# Altium PCB Carte_Alim-4L - CopieBK2023-02-12.PcbDoc (part 1 of 3) (continued)
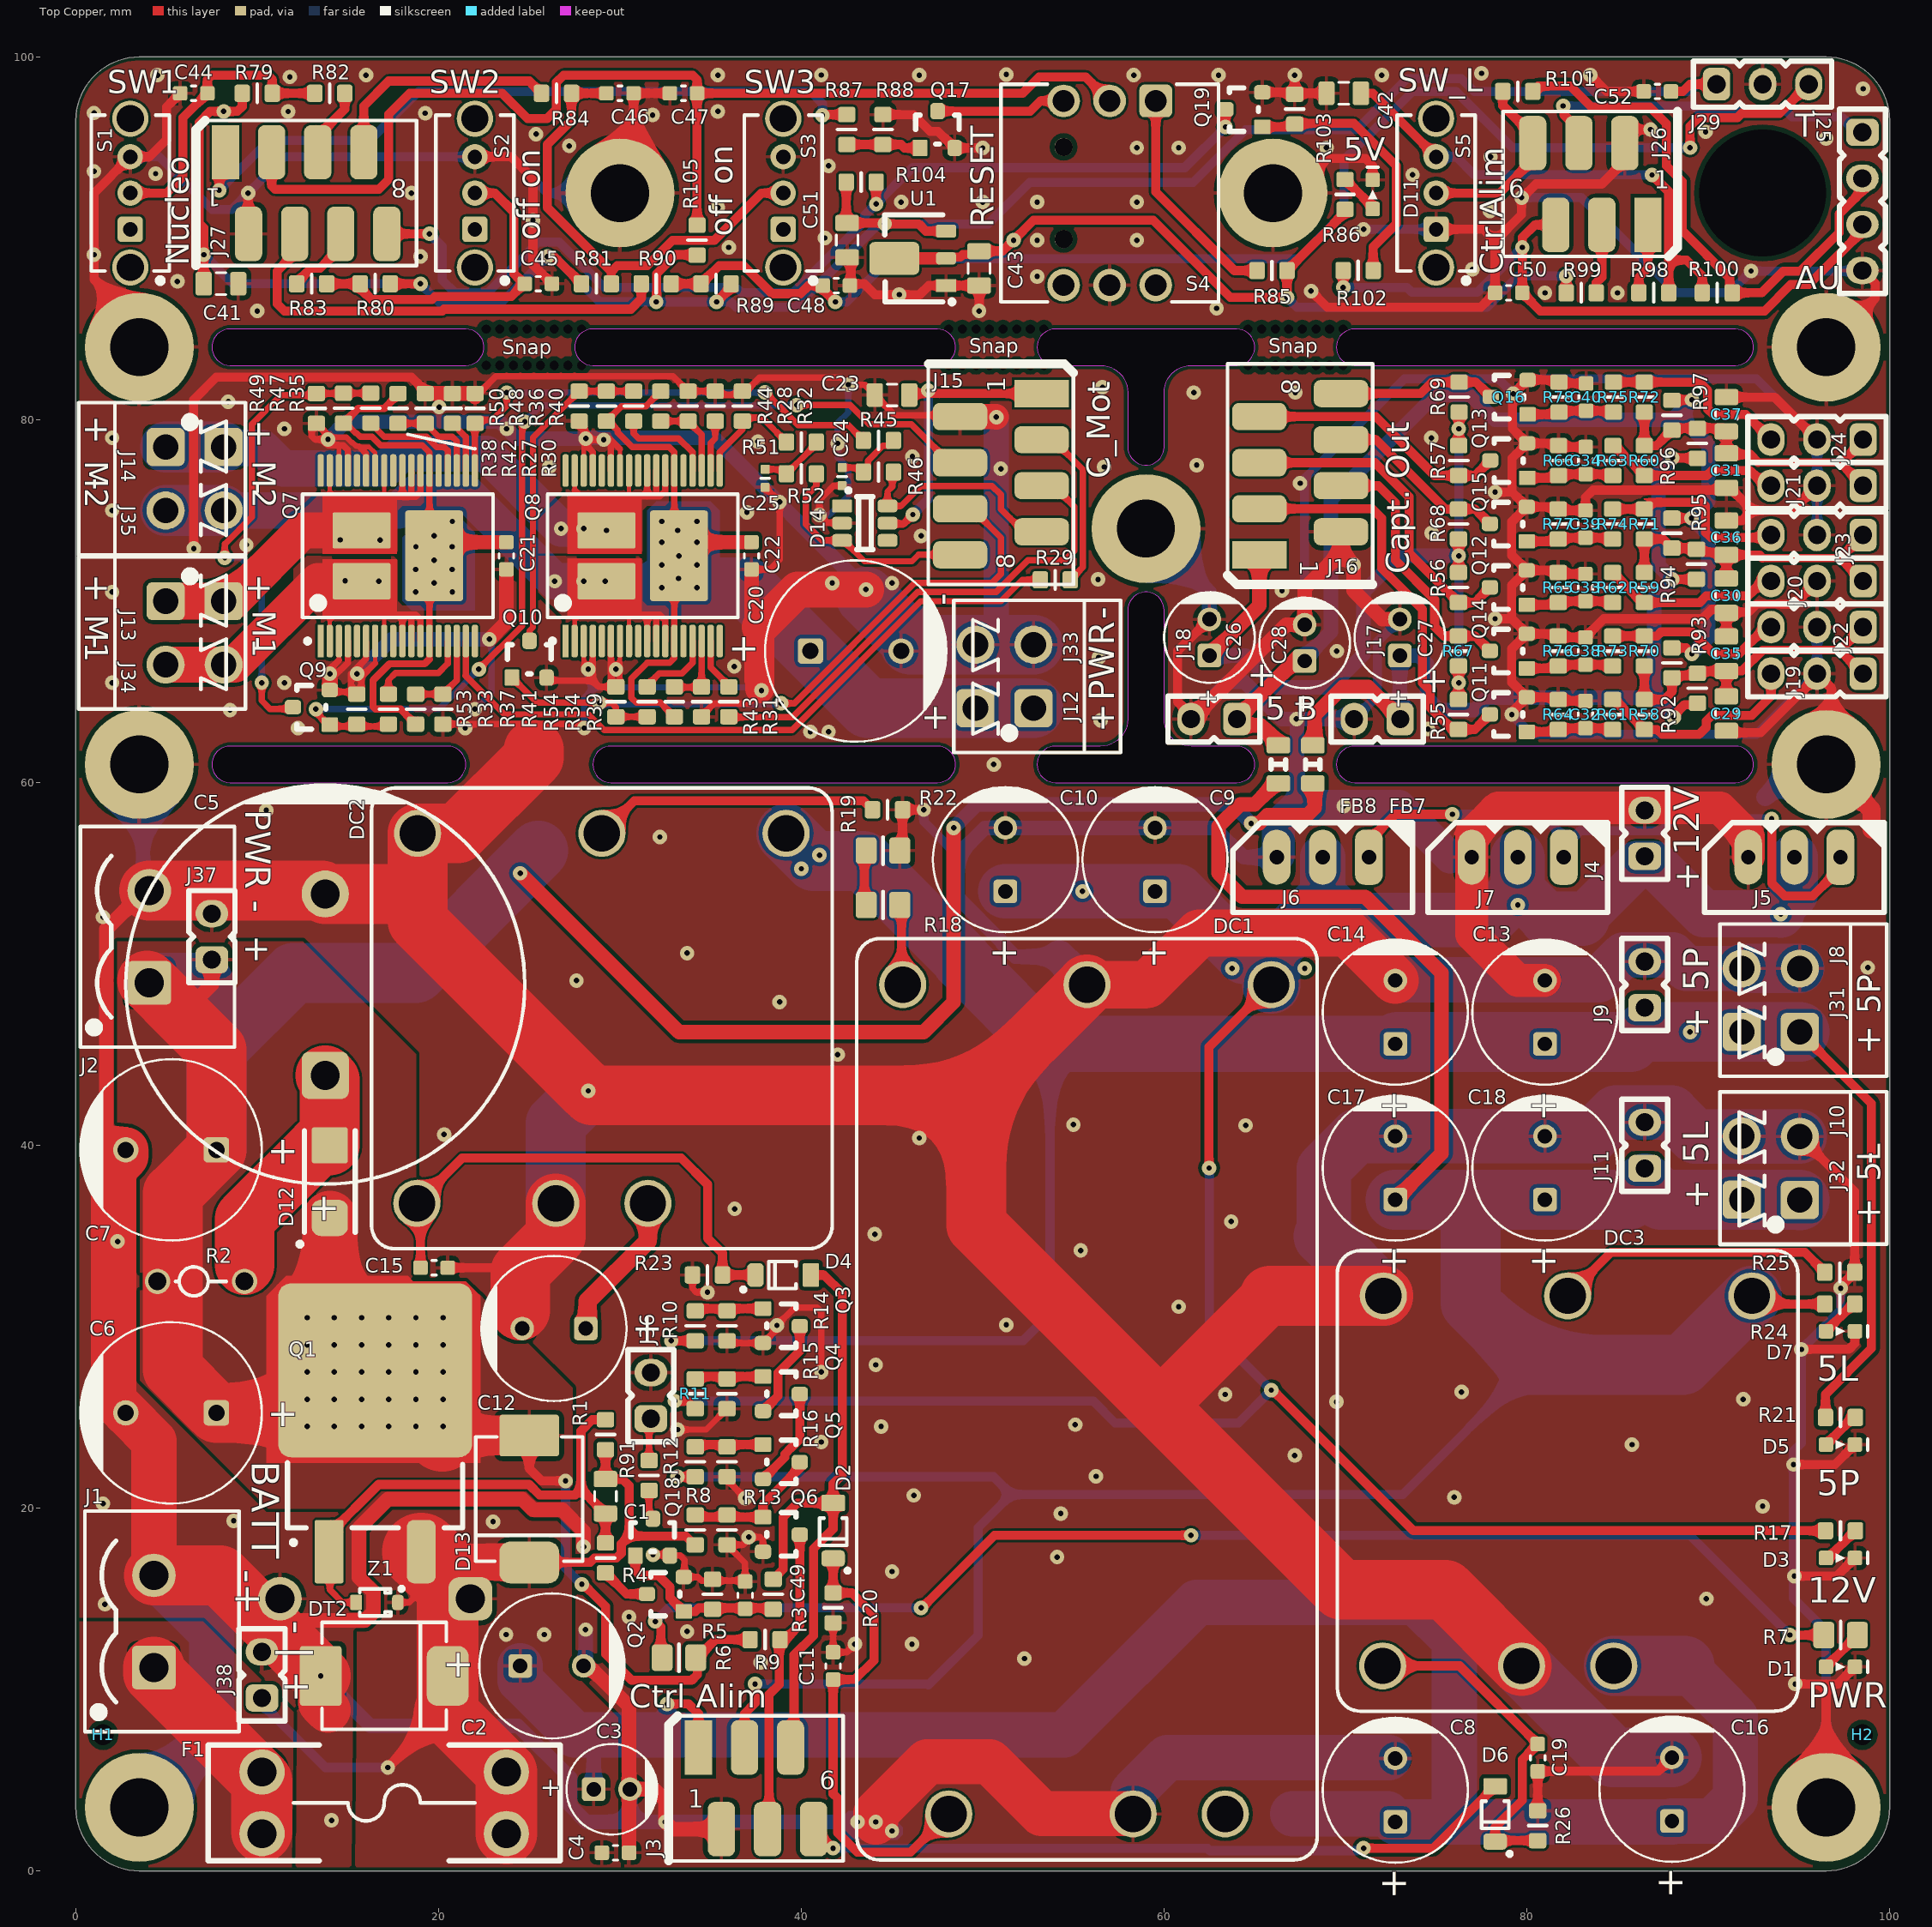
[diagram p0: Top Copper view]
## Components (designator, comment, footprint, x,y, rotation, side; value= is the part's Value field where it differs from the comment) (continued)
Z1 "MM3Z15VST1G" SOD-323 16.6,14.8 r0 top value=14.6V

## Footprints (in the part's own frame and the unit in brackets; to place one, negate y for a bottom-side part, rotate by r counter-clockwise, add the part's x,y. Pads: shape width x height; smd on the part's side, far side on the other; paste and mask are expansions set on the pad)
20-03-5035 [mil]
  rrect70% 60x120 hole 31.5: 1(100,25)
  oval 60x120 hole 31.5: 2(0,25) 3(-100,25)
  silkscreen extent -195,-95 195,100, body extent -195,-96 194,97, height 234
22-03-2021 [mm]
  rrect50% 1.5x1.8 hole 1: 1(1.27,0)
  oval 1.5x1.8 hole 1: 2(-1.27,0)
  silkscreen extent -2.54,-1.27 2.54,1.27, body extent -2.54,-1.27 2.54,1.27, height 11.6
22-03-2031 [mm]
  rrect50% 1.5x1.8 hole 1: 1(2.54,0)
  oval 1.5x1.8 hole 1: 2(0,0) 3(-2.54,0)
  silkscreen extent -3.81,-1.27 3.81,1.27, body extent -3.81,-1.27 3.81,1.27, height 11.6
22-03-2041 [mm]
  rrect50% 1.5x1.8 hole 1: 1(3.81,0)
  oval 1.5x1.8 hole 1: 2(1.27,0) 3(-1.27,0) 4(-3.81,0)
  silkscreen extent -5.08,-1.27 5.08,1.27, body extent -5.08,-1.27 5.08,1.27, height 11.6
440xx67082622 [mm]
  rrect30% 1.8x1.8 hole 1.2: 1(5.08,-2.54)
  round 1.8 hole 1.2: 2(5.08,2.54) 3(-5.08,2.54) 4(-5.08,-2.54) A(5.08,0) B(-5.08,0)
  round 1 hole 1 unplated: MH1(-2.54,2.54) MH2(2.54,2.54)
  silkscreen extent -6,-6 6,6, body extent -6,-6 6,6, height 8.3
3557-2 [mm] "Fuse holder"
  round 2.5 hole 1.6: 1(-6.735,1.7) 2(6.735,1.7) 3(-6.735,-1.7) 4(6.735,-1.7)
  silkscreen extent -9.7,-3.2 9.7,3.2, body extent -9.91,-3.38 9.91,3.36, height 7.39
690367280676 [mm] "6 pins, SMT, straight, without Latch"
  rect 1.5x3 smd: 1(3.175,-2.25)
  rrect50% 1.5x3 smd: 2(1.905,2.25) 3(0.635,-2.25) 4(-0.635,2.25) 5(-1.905,-2.25) 6(-3.175,2.25)
  silkscreen extent -4.81,-4 4.81,4, body extent -4.81,-5 4.81,3.5, height 5.75
690367280876 [mm] "8 pins, SMT, straight, without Latch"
  rect 1.5x3 smd: 1(4.445,-2.25)
  rrect50% 1.5x3 smd: 2(3.175,2.25) 3(1.905,-2.25) 4(0.635,2.25) 5(-0.635,-2.25) 6(-1.905,2.25) 7(-3.175,-2.25) 8(-4.445,2.25)
  silkscreen extent -6.08,-4 6.08,4, body extent -6.08,-5 6.08,3.5, height 5.75
691311500102 [mm] "5,08mm - PCB Headers - Vertical - Closed ends -02p"
  rrect20% 2.4x2.4 hole 1.6: 1(-2.54,0.45)
  round 2.4 hole 1.6: 2(2.54,0.45)
  silkscreen extent -6.08,-4.25 6.08,4.25, body extent -6.08,-4.25 6.08,4.25, height 12.05
691321100002 [mm] "Vertical PCB Header, pitch 3.5mm, 02p"
  rrect30% 2.1x2.1 hole 1.4: 1(-1.75,-0.8)
  round 2.1 hole 1.4: 2(1.75,-0.8)
  silkscreen extent -4.2,-3.6 4.2,3.6, body extent -4.2,-3.6 4.2,3.6, height 9.3
691322110002 [mm] "Horizontal PCB Header, pitch 3.5mm, 02p"
  rrect30% 2.1x2.1 hole 1.4: 1(-1.75,3.4)
  round 2.1 hole 1.4: 2(1.75,3.4)
  silkscreen extent -4.2,-4.6 4.2,4.6, body extent -4.2,-4.6 4.2,4.6, height 7.3
RESADV480W80L1200D390 [mm] "Wirebound Resistor pitch 4.8mm Radial tape"
  round 1.4 hole 1: 1(-2.4,0) 2(2.4,0)
  silkscreen extent -1.4,-0.8 1.4,0.8, body extent -4.22,-2.4 2.43,2.6, height 20.3
RESC1608X06N [mm] "Chip Resistor, 2-Leads, Body 1,6x0,8mm, IPC Medium Density"
  rrect30% 0.85x0.95 smd: 1(-0.825,0) 2(0.825,0)
  silkscreen extent 0,-0.5 0,0.5, body extent -0.78,-0.42 0.77,0.42, height 0.45
RESC2012X06N [mm] "Chip Resistor, 2-Leads, Body 2,0x1,3mm, IPC Medium Density"
  rrect30% 1.15x1.45 smd: 1(-0.925,0) 2(0.925,0)
  silkscreen extent 0,-0.75 0,0.75, body extent -1,-0.63 1,0.62, height 0.45
"SMA, DO-214AC" [mm] "Case 403D-02"
  rrect15% 2x2 smd: 1(2,0)
  rrect50% 2x2 smd: 2(-2,0)
  silkscreen extent -3.57,-1.4 2.81,1.77, body extent -2.6,-1.3 2.6,1.3, height 2.4
"SMC, DO-214AB" [mm] "WE-TVSP Power TVS Diode, DO-214AB, Unidirectional"
  rrect15% 2.3x3.3 smd: 1(3.5,0)
  rrect50% 2.3x3.3 smd: 2(-3.5,0)
  silkscreen extent -3.43,-2.95 3.43,2.95, body extent -3.97,-2.95 3.97,2.95, height 2.5
SMCW_0603 [mm] "Chip LED, 2-Leads, Body 1.6x0.8mm, IPC Medium Density"
  rrect30% 0.8x0.8 smd: 1(-0.8,0) 2(0.8,0)
  silkscreen extent -1.5,-0.3 0.25,0.3, body extent -0.8,-0.4 0.8,0.4, height 0.7
SOD-123FL [mm] "SOD-123FL"
  rrect15% 0.9x1.3 smd: 1(-1.525,0)
  rrect50% 0.9x1.3 smd: 2(1.525,0)
  silkscreen extent -0.7,-0.75 2.3,0.9, body extent -1.8,-0.82 1.8,0.82, height 0.95
SOD-323 [mm] "SOD-323/SC-76; 2 Leads; Body 1.7 x 1.3 mm, (LxW)"
  rrect15% 0.63x0.83 smd: 1(-1.15,0)
  rrect50% 0.63x0.83 smd: 2(1.15,0)
  silkscreen extent -0.95,-0.75 1.45,0.85, body extent -1.35,-0.63 1.35,0.63, height 1.1
SOT89-150P350X160-3N [mm] "SOT89, 3-Leads, Body 4.5x4.1mm, Pitch 1.5mm, Lead Span 1.05mm, IPC Medium Density"
  rect 1.1x0.7 smd paste-0.05 mask+0.102: 1(-2.127,1.5)
  rrect50% 1.1x0.7 smd paste-0.05 mask+0.102: 2(-2.128,0)
  rrect30% 2.75x1.8 smd paste-10: 2(0.728,0)
  rrect30% 1.1x0.7 smd paste-0.05 mask+0.102: 3(-2.127,-1.5)
  Top Copper region: -1.8,-0.351 -0.5,-0.351 -0.5,0.348 -1.8,0.348
  silkscreen extent -2.57,-2.4 1.25,2.52, body extent -2.4,-2.25 1.9,2.25, height 1.53
SOT-23 [mm]
  rrect15% 0.8x0.9 smd: 1(-0.953,-1.016)
  rrect50% 0.8x0.9 smd: 2(0.953,-1.016) 3(0.013,1.016)
  silkscreen extent -1.2,-0.8 1.2,0.8, body extent -1.5,-1.13 1.5,1.13, height 1.22
SOT-23-6L [mm]
  rrect15% 0.7x1.1 smd: 1(-0.95,-1.25)
  rrect50% 0.7x1.1 smd: 2(0,-1.25) 3(0.95,-1.25) 4(0.95,1.25) 5(0,1.25) 6(-0.95,1.25)
  silkscreen extent -1.9,-1 1.45,0.45, body extent -1.45,-1.4 1.45,1.4, height 1.16
SSOP50P1030X247-36N [mm] "SSOP, 36-Leads, Body 10,30x7,50mm, Pitch 0,50mm, IPC Medium Density"
  rrect30% 1.8x0.35 smd: 1(-4.7,4.25)
  rrect70% 1.8x0.35 smd: 2(-4.7,3.75) 3(-4.7,3.25) 4(-4.7,2.75) 5(-4.7,2.25) 6(-4.7,1.75) 7(-4.7,1.25) 8(-4.7,0.75) 9(-4.7,0.25) 10(-4.7,-0.25) 11(-4.7,-0.75) 12(-4.7,-1.25) 13(-4.7,-1.75) 14(-4.7,-2.25) 15(-4.7,-2.75) 16(-4.7,-3.25) 17(-4.7,-3.75) 18(-4.7,-4.25) 19(4.7,-4.25) 20(4.7,-3.75) 21(4.7,-3.25) 22(4.7,-2.75) 23(4.7,-2.25) 24(4.7,-1.75) 25(4.7,-1.25) 26(4.7,-0.75) 27(4.7,-0.25) 28(4.7,0.25) 29(4.7,0.75) 30(4.7,1.25) 31(4.7,1.75) 32(4.7,2.25) 33(4.7,2.75) 34(4.7,3.25) 35(4.7,3.75) 36(4.7,4.25)
  rrect10% 5x3.2 smd: 37(0,-2)
  rrect10% 2x3.2 smd: 38(-1.4,2) 39(1.4,2)
  silkscreen extent -4.82,-5.25 3.4,5.25, body extent -5.17,-5.15 5.17,5.15, height 2.31
SW_OS102011MS2QN1 [mm]
  rrect30% 1.4x1.4 hole 0.8: 1(-2,0)
  round 1.4 hole 0.8: 2(0,0) 3(2,0)
  round 2 hole 1.5: None(-4.1,0) None(4.1,0)
  silkscreen extent -4.98,-2.15 4.3,2.15, body extent -4.31,-2.16 4.29,2.14, height 8
"TEN 60" [mm]
  round 2.6 hole 2: 1(22.86,7.62) 2(22.86,2.54) 3(22.86,-7.62) 4(-22.86,10.16) 5(-22.86,0) 6(-22.86,-10.16)
  silkscreen extent -25.4,-12.7 25.4,12.7, body extent -25.4,-12.7 25.4,12.7, height 10.2
"THN 15WI" [mm]
  round 2.6 hole 2: 1(-2.54,10.2) 2(2.54,10.2) 3(-10.16,-10.2) 4(0,-10.2) 5(10.16,-10.2) 6(10.2,10.2)
  silkscreen extent -12.7,-12.7 12.7,12.7, body extent -12.7,-12.7 12.7,12.7, height 9.9
"THN 30WI-A1" [mm]
  round 2.6 hole 2: 1(-2.54,10.2) 2(2.54,10.2) 3(-10.16,-10.2) 4(0,-10.2) 5(10.16,-10.2) 6(10.2,10.2)
  silkscreen extent -12.7,-12.7 12.7,12.7, body extent -12.7,-12.7 12.7,12.7, height 9.9
"TO263AB, D2PAK" [mm]
  rrect15% 1.6x3.5 smd: 1(-2.54,-5)
  rrect50% 1.6x3.5 smd: 3(2.54,-5)
  rrect15% 10.7x9.6 smd: 4(0,5)
  silkscreen extent -4.83,-4.62 4.83,-0.1, body extent -5.05,-6.64 4.95,9.25, height 4.3
Tooling_hole_JLCPCB [mm]
  round 1 hole 1.152 unplated paste+1.152 mask+0.148: 1(0,0)
WCAP-ATG8_5x11x2x0.5 [mm] "Polarized capacitors, Aluminum Electrolytic Capacitors, 2-Leads, Body 5x11x2x0.5"
  rrect30% 1.3x1.3 hole 0.8: 1(1,0)
  round 1.3 hole 0.8: 2(-1,0)
  silkscreen extent -2.51,-2.5 2.5,2.5, body extent -2.49,-2.5 2.5,2.5, height 11.11
WCAP-ATG8_8x11.5x3.5x0.5 [mm] "Polarized capacitors, Aluminum Electrolytic Capacitors, 2-Leads, Body 8x11.5x3.5x0.5"
  rrect30% 1.3x1.3 hole 0.8: 1(1.75,0)
  round 1.3 hole 0.8: 2(-1.75,0)
  silkscreen extent -4,-4 4,4, body extent -3.99,-4 4,4, height 11.61
WCAP-ATG8_10x12.5x5x0.6 [mm] "Polarized capacitors, Aluminum Electrolytic Capacitors, 2-Leads, Body 10x12.5x5x0.6"
  rrect30% 1.4x1.4 hole 0.9: 1(2.5,0)
  round 1.4 hole 0.9: 2(-2.5,0)
  silkscreen extent -5.02,-5 5,5, body extent -4.99,-5 5,5, height 12.61
WCAP-ATG8_22x41x10x0.8 [mm] "Polarized capacitors, Aluminum Electrolytic Capacitors, 2-Leads, Body 22x41x10x0.8"
  rrect30% 2.6x2.6 hole 1.6: 1(5,0)
  round 2.6 hole 1.6: 2(-5,0)
  silkscreen extent -11.04,-11 11,11, body extent -10.99,-11 11,11, height 41.11
"WCAP-CSGP_0402, 1x0.5x0.5" [mm] "WCAP-CSGP Ceramic Capacitors, size 0402, body 1x0.5x0.5"
  rrect30% 0.5x0.5 smd: 1(-0.5,0) 2(0.5,0)
  silkscreen extent 0,-0.25 0,0.25, body extent -0.5,-0.26 0.5,0.26, height 0.52
"WCAP-CSGP_0603, 1.6x0.8x0.8" [mm] "WCAP-CSGP Ceramic Capacitors, size 0603, body 1.6x0.8x0.8"
  rrect30% 0.8x0.8 smd: 1(-0.75,0) 2(0.75,0)
  silkscreen extent -0.13,-0.4 0.13,0.4, body extent -1,-0.39 1,0.39, height 0.8
"WCAP-CSGP_0805, 2x1.25x1.25" [mm] "WCAP-CSGP Ceramic Capacitors, size 0805, body 2x1.25x1.25"
  rrect30% 0.9x1.3 smd: 1(-0.95,0) 2(0.95,0)
  silkscreen extent -0.28,-0.6 0.28,0.6, body extent -1,-0.63 1,0.62, height 1.25
"WE-CBF_0805_High Current" [mm] "SMD EMI Suppression Ferrite  Bead, body 2.0mmx1.2mm"
  rrect30% 0.9x1.3 smd: 1(-1.05,0) 2(1.05,0)
  silkscreen extent -0.25,-0.4 0.25,0.4, body extent -1,-0.6 1,0.6, height 0.93

## Part data
C1 C23 C29 C30 C31 C35 C36 C37 C41 C42: library part "WCAP-CSGP, 885012207103", "CAP CER 1uF 50V X7R 0805", Manufacturer="Wurth Elektronik", Manufacturer Part Number=885012207103, RatedVoltage=50V, CeramicType=X7R, ComponentLink1Description=Datasheet, ComponentLink1URL=http://katalog.we-online.com/pbs/datasheet/885012207103.pdf, Size=0805, SUPPLIER 2=JLCPCB, Supplier Footprint 2=0805, SUPPLIER PART NUMBER 2=C28323
C2 C8 C12 C16: library part "WCAP-ATG8, 860010574011", "CAP Alu 220 UF 20% 35 V", Manufacturer="Wurth Elektronik", Manufacturer Part Number=860010574011, RatedVoltage=35V, ComponentLink1Description=Datasheet, ComponentLink1URL=http://katalog.we-online.de/pbs/datasheet/860010574011.pdf, Size=8mmx11.5mm
C3 C26 C27 C28: library part "WCAP-ATG8, 860010672009", "CAP Alu 10 UF 20% 50 V", Manufacturer="Wurth Elektronik", Manufacturer Part Number=860010672009, RatedVoltage=50V, ComponentLink1Description=Datasheet, ComponentLink1URL=http://katalog.we-online.de/pbs/datasheet/860010672009.pdf, Size=5mmx11mm
C4 C11 C15 C19 C21 C22 C32 C33 C34 C38 C39 C40 C44 C45 C46 C47 C48 C49 C50 C52: library part "WCAP-CSGP, 885012206095", "CAP CER 100nF 50V X7R 0603", Manufacturer="Wurth Elektronik", Manufacturer Part Number=885012206095, RatedVoltage=50V, CeramicType=X7R, ComponentLink1Description=Datasheet, ComponentLink1URL=http://katalog.we-online.com/pbs/datasheet/885012206095.pdf, Size=0603, SUPPLIER 2=JLCPCB, Supplier Footprint 2=0603, SUPPLIER PART NUMBER 2=C14663
C5: library part "WCAP-ATG8, 860010483029", "CAP Alu 10'000 UF 25 V", Manufacturer="Wurth Elektronik", Manufacturer Part Number=860010483029, RatedVoltage=25V, ComponentLink1Description=Datasheet, ComponentLink1URL=http://katalog.we-online.de/pbs/datasheet/860010483029.pdf, Size=22x41mm
C6 C7 C20: library part "WCAP-ATG8, 860010575012", "CAP Alu 330 UF 20% 35 V", Manufacturer="Wurth Elektronik", Manufacturer Part Number=860010575012, RatedVoltage=35V, ComponentLink1Description=Datasheet, ComponentLink1URL=http://katalog.we-online.de/pbs/datasheet/860010575012.pdf, Size=10mmx12.5mm
C9 C10 C13 C14 C17 C18: library part "WCAP-ATG8, 860010374012", "CAP Alu 470 UF 20% 16 V", Manufacturer="Wurth Elektronik", Manufacturer Part Number=860010374012, RatedVoltage=16V, ComponentLink1Description=Datasheet, ComponentLink1URL=http://katalog.we-online.de/pbs/datasheet/860010374012.pdf, Size=8mmx11.5mm
C24 C25: library part "WCAP-CSGP, 885012205067", "CAP CER 10nF 50V X7R 0402", Manufacturer="Wurth Elektronik", Manufacturer Part Number=885012205067, RatedVoltage=50V, CeramicType=X7R, ComponentLink1Description=Datasheet, ComponentLink1URL=http://katalog.we-online.com/pbs/datasheet/885012205067.pdf, Size=0402, SUPPLIER 2=JLCPCB, Supplier Footprint 2=0402, SUPPLIER PART NUMBER 2=C15195
C43 C51: library part "WCAP-CSGP, 885012207026", "CAP CER 10uF 10V X7R 0805", Manufacturer="Wurth Elektronik", Manufacturer Part Number=885012207026, RatedVoltage=10V, SUPPLIER PART NUMBER 1=2495189, CeramicType=X7R, ComponentLink1Description=Datasheet, ComponentLink1URL=http://katalog.we-online.com/pbs/datasheet/885012207026.pdf, Size=0805, SUPPLIER 1=Farnell, SUPPLIER 2=JLCPCB, Supplier Footprint 2=0805, SUPPLIER PART NUMBER 2=C15850
D1 D3 D5 D7 D11: library part "WL-SMCW 0603  150060RS75000", "SMD mono-color Chip LED, WL-SMCW, Red", Manufacturer="Wurth Elektronik", SUPPLIER PART NUMBER 1=2322071, ComponentLink1Description=Datasheet, ComponentLink1URL=http://katalog.we-online.com/led/datasheet/150060RS75000.pdf, Manufacturer Part Number=150060RS75000, SUPPLIER 1=Farnell, SUPPLIER 2=JLCPCB, Supplier Footprint 2=LED_0603, SUPPLIER PART NUMBER 2=C2286
D2 D4 D6: "DIODE SCHOTTKY 40V 3A SOD123-FL", ContinuousForwardCurrent=3A, Manufacturer=ROHM, SUPPLIER PART NUMBER 1=2581593, ComponentLink1Description=Datasheet, ComponentLink1URL=http://www.farnell.com/datasheets/2067190.pdf, ComponentLink2Description=Manufacturer, ComponentLink2URL=http://www.rohm.com/web/global/products/-/product/RBR3MM40ATF, Manufacturer Part Number=RBR3MM40ATFTR, SUPPLIER 1=Farnell, SUPPLIER 2=JLCPCB, Supplier Footprint 2=SOD-123, SUPPLIER PART NUMBER 2=C8598, Type=Schottky
D12: "DIODE SCHOTTKY 100V 5A SMA (DO-214AC)", ContinuousForwardCurrent="5A (Pk 50A)", Manufacturer=MULTICOMP, SUPPLIER PART NUMBER 1=2750942, ComponentLink1Description=Datasheet, ComponentLink1URL=http://www.farnell.com/datasheets/2282884.pdf, Manufacturer Part Number=HTA5U100, SUPPLIER 1=Farnell, Type=Schottky
D13: library part RS3J_R6, "DIODE GEN PURP 600V 3A SMC", ContinuousForwardCurrent=3A, Manufacturer="TAIWAN SEMICONDUCTOR", SUPPLIER PART NUMBER 1=2677388, ComponentLink1Description=Datasheet, ComponentLink1URL=http://www.farnell.com/datasheets/2182655.pdf, Manufacturer Part Number="RS3J R6", SUPPLIER 1=Farnell, Type=Standard
D14: "WE-TVS TVS Diode 4+1Ch 5V SOT23-6L", Manufacturer="Wurth Elektronik", SUPPLIER PART NUMBER 1=1748613, ComponentLink1Description=Datasheet, ComponentLink1URL=https://www.we-online.com/catalog/datasheet/824001.pdf, Manufacturer Part Number=824001, SUPPLIER 1=Farnell, SUPPLIER 2=JLCPCB, Supplier Footprint 2=SOT-23-6L, SUPPLIER PART NUMBER 2=C85364, Type=TVS
DC1: "Traco 12.0V 60W 5A", Manufacturer=TRACOPOWER, SUPPLIER PART NUMBER 1=2451635, ComponentLink1Description=Datasheet, ComponentLink1URL=http://www.farnell.com/datasheets/2200542.pdf, Manufacturer Part Number="TEN 60-2412WIN", SUPPLIER 1=Farnell
DC2: "Traco 5V-6V 30W 6A", Manufacturer=TRACOPOWER, SUPPLIER PART NUMBER 1=1951-3302-ND, ComponentLink1Description=Datasheet, ComponentLink1URL=https://www.tracopower.com/products/thn30wi.pdf, Manufacturer Part Number=THN30-2411WI-A1, SUPPLIER 1=Digikey
DC3: "Traco 5V 15W 3A", Manufacturer=TRACOPOWER, SUPPLIER PART NUMBER 1=1441226, ComponentLink1Description=Datasheet, ComponentLink1URL=http://www.farnell.com/datasheets/1866342.pdf, Manufacturer Part Number=THN15-2411WI, SUPPLIER 1=Farnell
DT2: "WE-TVSP Power TVS Diode, Unidirectional, 1500 W, 24 VDC", Manufacturer="Wurth Electronics Inc.", SUPPLIER PART NUMBER 1=2536699, ComponentLink1Description=Datasheet, ComponentLink1URL=https://www.we-online.com/catalog/datasheet/824540241.pdf, Manufacturer Part Number=824540241, SUPPLIER 1=Farnell, Type=TVS
F1: "FUSE Holder 500V 30A PCB", Manufacturer="Keystone Electronics", SUPPLIER PART NUMBER 1=2292904, ComponentLink1Description=Datasheet, ComponentLink1URL=http://www.keyelco.com/product-pdf.cfm?p=296, Manufacturer Part Number=3557-2, SUPPLIER 1=Farnell
FB7 FB8: library part "WE-CBF, 742792023", "Ferrite Bead 120ohm 0805 3A", Manufacturer="Wurth Elektronik", RatedCurrent=3A, SUPPLIER PART NUMBER 1=1635732, ComponentLink1Description=Manufacturer, ComponentLink1URL=https://www.we-online.com/catalog/en/WE-CBF/?sq=742792023#742792023, ComponentLink2Description=Datasheet, ComponentLink2URL=https://www.we-online.com/catalog/datasheet/742792023.pdf, Manufacturer Part Number=742792023, SUPPLIER 1=Farnell, SUPPLIER 2=JLCPCB, Supplier Footprint 2=0805, SUPPLIER PART NUMBER 2=C1015
H1 H2: library part HOLE_TOOLING, "Tooling hole pour JLCPCB assembly", ComponentLink1Description=Manufacturer, ComponentLink1URL=https://support.jlcpcb.com/article/92-how-to-add-tooling-holes-for-smt-assembly-order
J1 J2: "WR-TBL 2p Series 311 - 5.08 mm Closed Vertical PCB Header", Manufacturer="Wurth Electronics Inc.", SUPPLIER PART NUMBER 1=1641978, ComponentLink1Description=Datasheet, ComponentLink1URL=https://katalog.we-online.de/em/datasheet/6913115001xx.pdf, Manufacturer Part Number=691311500102, SUPPLIER 1=Farnell
J3 J26: "WR-MM 6p Female SMT Connector with Polarization", Manufacturer="Wurth Electronics Inc.", SUPPLIER PART NUMBER 1=1641849, ComponentLink1Description=Datasheet, ComponentLink1URL=http://katalog.we-online.de/em/datasheet/69036728xx76.pdf, Manufacturer Part Number=690367280676, SUPPLIER 1=Farnell
J4 J9 J11 J17 J18 J36 J37 J38: "CONN HEADER VERT 2POS 2.54MM", Manufacturer=MOLEX, SUPPLIER PART NUMBER 1=9731075, ComponentLink1Description=Datasheet, ComponentLink1URL=http://www.farnell.com/datasheets/1791308.pdf, ComponentLink2Description=Drawings, ComponentLink2URL="http://www.farnell.com/cad/495071.pdf  http://www.farnell.com/cad/1533907.pdf  http://www.farnell.com/cad/1533907.pdf", Manufacturer Part Number=22-03-2021, SUPPLIER 1=Farnell
J5 J6 J7: library part 20-03-5035, "CONN HEADER VERT 3POS 2.5MM", Manufacturer=MOLEX, SUPPLIER PART NUMBER 1=9979620, ComponentLink1Description=Datasheet, ComponentLink1URL=http://www.farnell.com/datasheets/1801024.pdf, ComponentLink2Description=Drawings, ComponentLink2URL="http://www.farnell.com/cad/495071.pdf  http://www.farnell.com/cad/1533907.pdf  http://www.farnell.com/cad/1533907.pdf", Manufacturer Part Number=22-03-5035, SUPPLIER 1=Farnell
J8 J10 J12 J13 J14: "WR-TBL 2p Series 3221 - 3.50 mm Horizontal PCB Header", Manufacturer="Wurth Electronics Inc.", SUPPLIER PART NUMBER 1=1841315, ComponentLink1Description=Datasheet, ComponentLink1URL=http://katalog.we-online.de/em/datasheet/6913221100xx.pdf, Manufacturer Part Number=691322110002, SUPPLIER 1=Farnell
J15 J16 J27: "WR-MM 8p Female SMT Connector with Polarization", Manufacturer="Wurth Electronics Inc.", SUPPLIER PART NUMBER 1=1641850, ComponentLink1Description=Datasheet, ComponentLink1URL=http://katalog.we-online.de/em/datasheet/69036728xx76.pdf, Manufacturer Part Number=690367280876, SUPPLIER 1=Farnell
J19 J20 J21 J22 J23 J24 J29: "CONN HEADER VERT 3POS 2.54MM", Manufacturer=MOLEX, SUPPLIER PART NUMBER 1=9731083, ComponentLink1Description=Datasheet, ComponentLink1URL=http://www.farnell.com/datasheets/1785732.pdf, ComponentLink2Description=Drawings, ComponentLink2URL="http://www.farnell.com/cad/495071.pdf  http://www.farnell.com/cad/1533907.pdf  http://www.farnell.com/cad/1533907.pdf", Manufacturer Part Number=22-03-2031, SUPPLIER 1=Farnell
J25: "CONN HEADER VERT 4POS 2.54MM", Manufacturer=MOLEX, SUPPLIER PART NUMBER 1=9731091, ComponentLink1Description=Datasheet, ComponentLink1URL=https://www.molex.com/pdm_docs/sd/022032041_sd.pdf, Manufacturer Part Number=22-03-2041, SUPPLIER 1=Farnell
J31 J32 J33 J34 J35: "WR-TBL 2p Series 3211 - 3.50 mm Vertical PCB Header", Manufacturer="Wurth Electronics Inc.", SUPPLIER PART NUMBER 1=1841308, ComponentLink1Description=Datasheet, ComponentLink1URL=https://katalog.we-online.de/em/datasheet/6913211000xx.pdf, Manufacturer Part Number=691321100002, SUPPLIER 1=Farnell
Q1: "MOSFET P 60V 120A D2PAK", Manufacturer=VISHAY, SUPPLIER PART NUMBER 1=2617099, ComponentLink1Description=Datasheet, ComponentLink1URL=http://www.vishay.com/docs/67026/sqm120p0.pdf, Manufacturer Part Number=SQM120P06-07L_GE3, SUPPLIER 1=Farnell
Q2 Q3 Q4 Q5 Q6 Q9 Q10 Q11 Q12 Q13 Q14 Q15 Q16 Q17 Q18 Q19: "MOSFET N 60V 115MA SOT23", Manufacturer="Changjiang Electronics Tech (CJ)", SUPPLIER PART NUMBER 1=1510761, ComponentLink1Description=Datasheet, ComponentLink1URL=https://datasheet.lcsc.com/szlcsc/1810151612_Changjiang-Electronics-Tech-CJ-2N7002_C8545.pdf, Manufacturer Part Number=2N7002, SUPPLIER 1=Farnell, SUPPLIER 2=JLCPCB, Supplier Footprint 2=SOT-23-3, SUPPLIER PART NUMBER 2=C8545
Q7 Q8: "IC MOTOR DRIVER PAR 36POWERSSO", Manufacturer=STMicroelectronics, SUPPLIER PART NUMBER 1=2849833, ComponentLink1Description=Datasheet, ComponentLink1URL=http://www.st.com/content/ccc/resource/technical/document/datasheet/ce/72/6c/f3/65/47/45/b3/CD00264619.pdf/files/CD00264619.pdf/jcr:content/translations/en.CD00264619.pdf, Manufacturer Part Number=VNH5180ATR-E, SUPPLIER 1=Farnell
R1 R3 R4 R5 R8 R13 R14 R15 R16 R20 R22 R23 R25 R26 R27 R28 R37 R38 R39 R40 R45 R47 R48 R51 R53 R54 R55 R56 R57 R58 R59 R60 R61 R62 R63 R64 R65 R66 R67 R68 R69 R70 R71 R72 R73 R74 R75 R76 R77 R78 R79 R80 R81 R88 R89 R102 R103 R104 R105: "RES SMD 10K OHM 1% 1/10W 0603", Manufacturer=Yageo, POWER=100mW, SUPPLIER PART NUMBER 1=9238603, ComponentLink1Description=Manufacturer, ComponentLink1URL=http://www.yageo.com/NewPortal/_en/index.jsp, ComponentLink2Description=Datasheet, ComponentLink2URL=http://www.farnell.com/datasheets/2167052.pdf, Manufacturer Part Number=RC0603FR-0710KL, Precision=±1%, SUPPLIER 1=Farnell, SUPPLIER 2=JLCPCB, Supplier Footprint 2=0603, SUPPLIER PART NUMBER 2=C25804, Type="Thick Film", Vmax=50V
R2: library part Generic_TH_Vert_Res, "resistance traversante verticale générique", Manufacturer=MULTICOMP, Manufacturer Part Number=MCKNP02WJ0102A19, POWER=2W, SUPPLIER PART NUMBER 1=1903754, Precision=±5%, SUPPLIER 1=Farnell, Type="Through Hole"
R6 R7 R18 R19: "RES SMD 2K7 OHM 1% 1/8W 0805", Manufacturer=Yageo, POWER=125mW, SUPPLIER PART NUMBER 1=9237666, ComponentLink1Description=Manufacturer, ComponentLink1URL=http://www.yageo.com/NewPortal/_en/index.jsp, ComponentLink2Description=Datasheet, ComponentLink2URL=http://www.farnell.com/datasheets/444164.pdf, Manufacturer Part Number=RC0805FR-072K7L, Precision=±1%, SUPPLIER 1=Farnell, SUPPLIER 2=JLCPCB, Supplier Footprint 2=0805, SUPPLIER PART NUMBER 2=C17530, Type="Thick Film", Vmax=50V
R9 R10 R11 R12 R21 R24 R29 R31 R33 R34 R35 R36 R41 R42 R43 R44 R46 R52 R85: "RES SMD 1K OHM 1% 1/10W 0603", Manufacturer=Yageo, POWER=100mW, SUPPLIER PART NUMBER 1=9238484, ComponentLink1Description=Manufacturer, ComponentLink1URL=http://www.yageo.com/NewPortal/_en/index.jsp, ComponentLink2Description=Datasheet, ComponentLink2URL=http://www.farnell.com/datasheets/2167052.pdf, Manufacturer Part Number=RC0603FR-071KL, Precision=±1%, SUPPLIER 1=Farnell, SUPPLIER 2=JLCPCB, Supplier Footprint 2=0603, SUPPLIER PART NUMBER 2=C21190, Type="Thick Film", Vmax=50V
R17 R49 R50 R86: "RES SMD 1.8K OHM 1% 1/10W 0603", Manufacturer=Yageo, POWER=100mW, SUPPLIER PART NUMBER 1=9238514, ComponentLink1Description=Manufacturer, ComponentLink1URL=http://www.yageo.com/NewPortal/_en/index.jsp, ComponentLink2Description=Datasheet, ComponentLink2URL=http://www.farnell.com/datasheets/2167052.pdf, Manufacturer Part Number=RC0603FR-071K8L, Precision=±1%, SUPPLIER 1=Farnell, SUPPLIER 2=JLCPCB, Supplier Footprint 2=0603, SUPPLIER PART NUMBER 2=C4177, Type="Thick Film", Vmax=50V
R30 R32: "RES SMD 620 OHM 1% 1/10W 0603", Manufacturer=Yageo, POWER=100mW, SUPPLIER PART NUMBER 1=311-620HRCT-ND, ComponentLink1Description=Manufacturer, ComponentLink1URL=http://www.yageo.com/NewPortal/_en/index.jsp, ComponentLink2Description=Datasheet, ComponentLink2URL=http://www.farnell.com/datasheets/1868787.pdf, Manufacturer Part Number=RC0603FR-07620RL, Precision=±1%, SUPPLIER 1=Digi-Key, SUPPLIER 2=JLCPCB, Supplier Footprint 2=0603, SUPPLIER PART NUMBER 2=C23220, Type="Thick Film", Vmax=50V
R82 R83 R84 R87 R90 R91: "RES SMD 68 OHM 1% 1/10W 0603", Manufacturer=Yageo, POWER=100mW, SUPPLIER PART NUMBER 1=9238344, ComponentLink1Description=Manufacturer, ComponentLink1URL=http://www.yageo.com/NewPortal/_en/index.jsp, ComponentLink2Description=Datasheet, ComponentLink2URL=http://www.farnell.com/datasheets/1868787.pdf, Manufacturer Part Number=RC0603FR-0768RL, Precision=±1%, SUPPLIER 1=Farnell, SUPPLIER 2=JLCPCB, Supplier Footprint 2=0603, SUPPLIER PART NUMBER 2=C27592, Type="Thick Film", Vmax=50V
R92 R93 R94 R95 R96 R97 R98 R99 R100 R101: "RES SMD 0 OHM 1% 1/10W 0603", Manufacturer=Yageo, POWER=100mW, SUPPLIER PART NUMBER 1=2309106, ComponentLink1Description=Manufacturer, ComponentLink1URL=http://www.yageo.com/NewPortal/_en/index.jsp, ComponentLink2Description=Datasheet, ComponentLink2URL=http://www.farnell.com/datasheets/2167052.pdf, Manufacturer Part Number=RC0603FR-070RL, Precision=±1%, SUPPLIER 1=Farnell, SUPPLIER 2=JLCPCB, Supplier Footprint 2=0603, SUPPLIER PART NUMBER 2=C21189, Type="Thick Film", Vmax=50V
S1 S2 S3 S5: "SWITCH SLIDE SPDT 0.1A 12V (500VDC max)", Manufacturer="C & K COMPONENTS", SUPPLIER PART NUMBER 1=1201430, ComponentLink1Description=Datasheet, ComponentLink1URL=https://www.ckswitches.com/media/1428/os.pdf, ComponentLink2Description=Manufacturer, ComponentLink2URL=https://www.ckswitches.com/products/switches/product-details/Slide/OS/OS102011MS2QN1/, Manufacturer Part Number=OS102011MS2QN1, SUPPLIER 1=Farnell
S4: "WS-TATL Illuminated THT Tact Switch, Green", Manufacturer="Wurth Elektronik", SUPPLIER PART NUMBER 1=2402381, ComponentLink1Description=Datasheet, ComponentLink1URL=https://katalog.we-online.com/em/datasheet/440GS67082622.pdf, ComponentLink2Description=Manufacturer, ComponentLink2URL=https://www.we-online.com/catalog/en/TATL_12X12_THT/?sq=440GS67082622#440GS67082622, Manufacturer Part Number=440GS67082622, SUPPLIER 1=Farnell
U1: "LDO 3.3V 100mA SOT89", Manufacturer=Holtek, SUPPLIER PART NUMBER 1=8850721, ComponentLink1Description=Datasheet, ComponentLink1URL=https://datasheet.lcsc.com/szlcsc/1812071811_Holtek-Semicon-HT7533-1_C14289.pdf, ComponentLink2Description=Manufacturer, ComponentLink2URL=https://www.holtek.com/productdetail/-/vg/75xx_1, Manufacturer Part Number=HT7533-1, SUPPLIER 1=RSComponents, SUPPLIER 2=JLCPCB, Supplier Footprint 2=SOT-89-3, SUPPLIER PART NUMBER 2=C14289, Type=LDO
Z1: "DIODE ZENER 14.6V 300mW SOD323", Manufacturer="ON Semiconductor", SUPPLIER PART NUMBER 1=2533369, ComponentLink1Description=Datasheet, ComponentLink1URL=http://www.farnell.com/datasheets/2028649.pdf, Manufacturer Part Number=MM3Z15VST1G, SUPPLIER 1=Farnell, Type=Zener

## Free pads (board coordinates)
  round 6 hole 3.2: 0(3.5,3.5) 0(3.5,61) 0(3.5,84) 0(30,92.5) 0(59,74) 0(66,92.5) 0(96.5,3.5) 0(96.5,61) 0(96.5,84)
  round 2.4 hole 1.6: 0(11.25,15)
  rrect50% 2.4x2.4 hole 1.6: 0(21.75,15)
  round 6 hole 7 unplated: 0(93,92.5)
  round 0 hole 0.5 unplated: 2(22.625,83) 2(22.625,85) 2(23.375,83) 2(23.375,85) 2(24.125,83) 2(24.125,85) 2(24.875,83) 2(24.875,85) 2(25.625,83) 2(25.625,85) 2(26.375,85) 2(26.375,83) 2(27.125,83) 2(27.125,85) 2(27.875,83) 2(27.875,85) 2(48.125,83) 2(48.125,85) 2(48.875,83) 2(48.875,85) 2(49.625,83) 2(49.625,85) 2(50.375,83) 2(50.375,85) 2(51.125,83) 2(51.125,85) 2(51.875,85) 2(51.875,83) 2(52.625,83) 2(52.625,85) 2(53.375,83) 2(53.375,85) 2(64.625,83) 2(64.625,85) 2(65.375,83) 2(65.375,85) 2(66.125,83) 2(66.125,85) 2(66.875,83) 2(66.875,85) 2(67.625,83) 2(67.625,85) 2(68.375,85) 2(68.375,83) 2(69.125,83) 2(69.125,85) 2(69.875,83) 2(69.875,85)

## Via types
v1: diameter 0.8, hole 0.3, Top Copper to Bottom Copper, tented both sides, 328 vias